# KiCad board USB Cable Tester.kicad_pcb (continued)
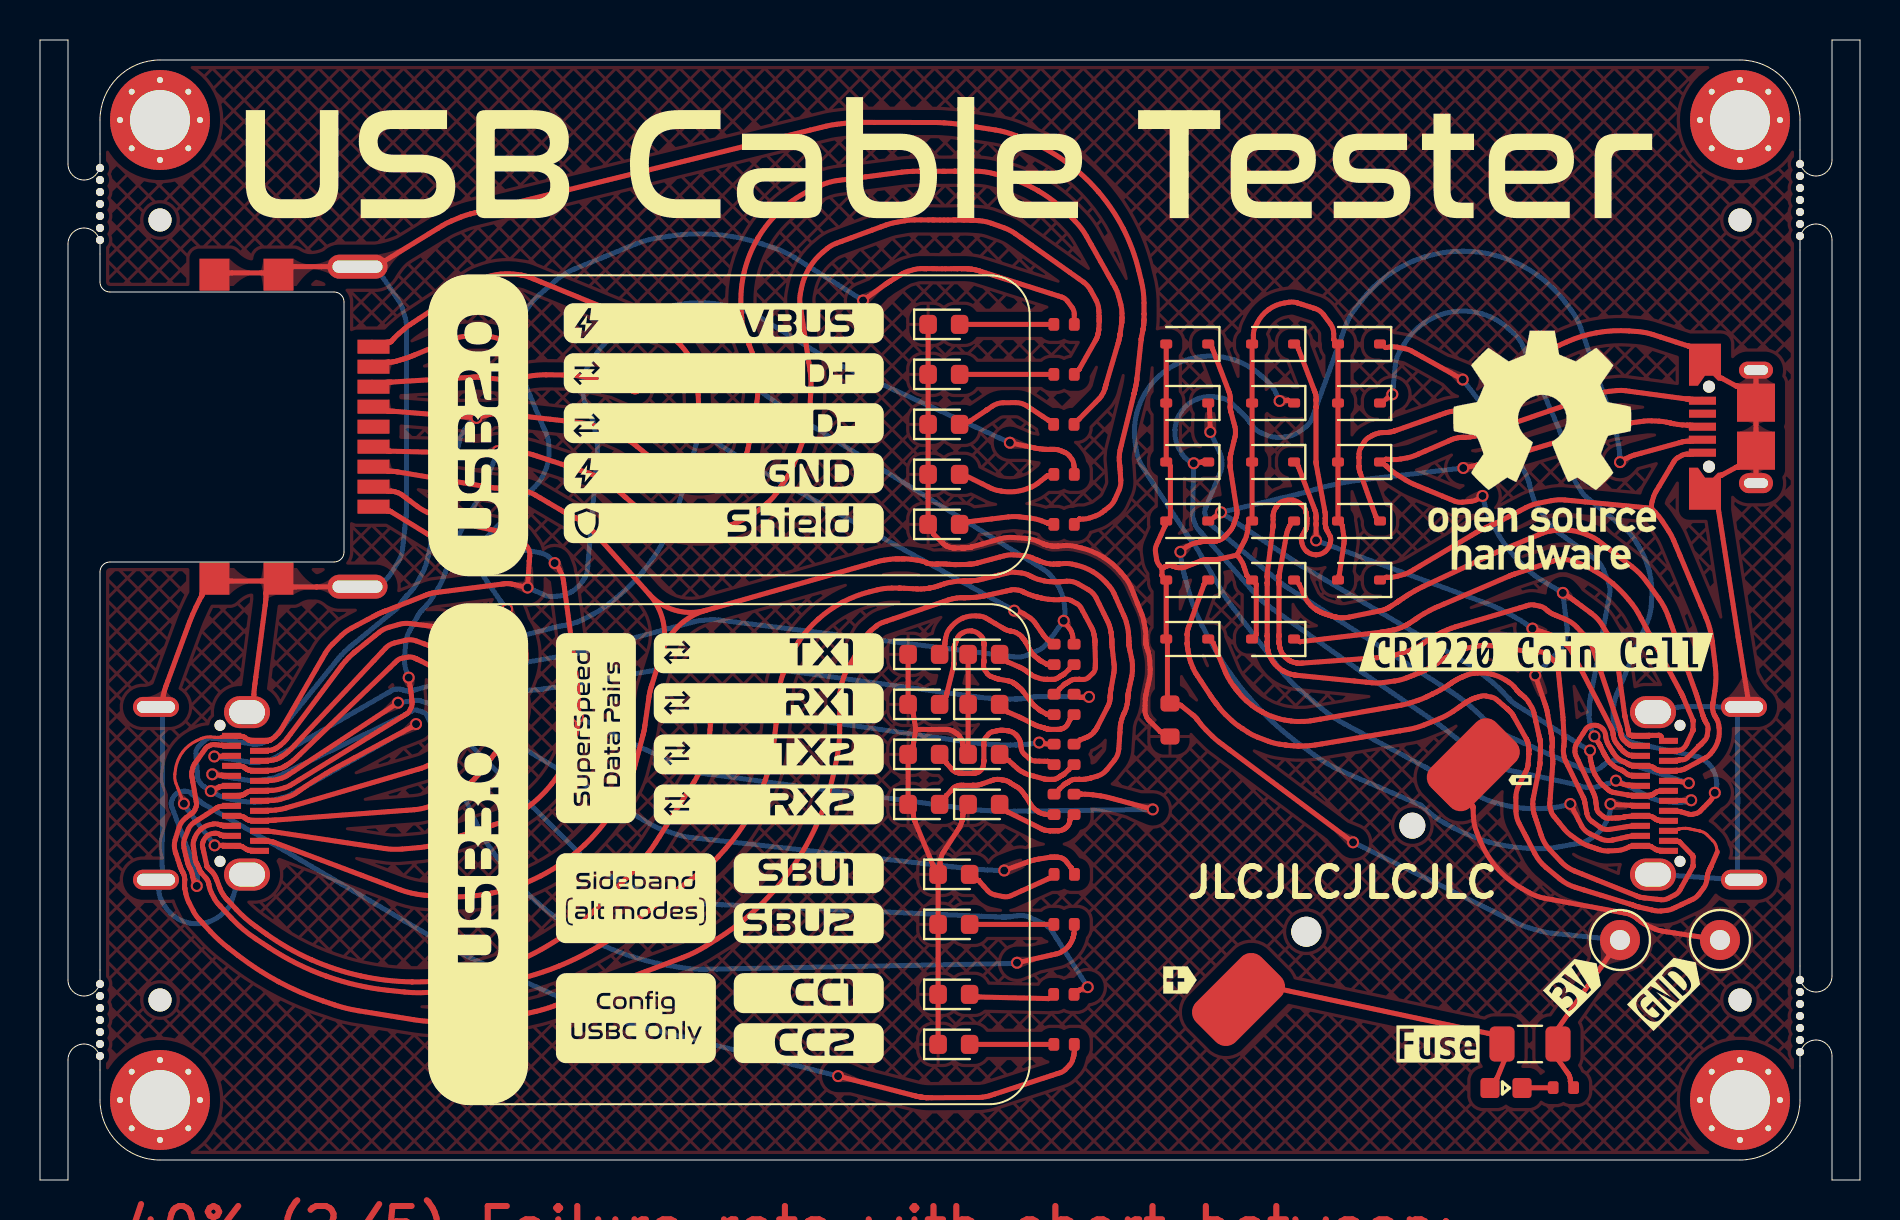
[diagram p0: board, top side]
## Routing (per net, layer and track width the routed paths; a pad name or vN(x,y) marks a point on that pad's centre or on a via; arc(x,y) is an arc through that point) (continued)
Net-(D7-K): length 41.2
  Top w0.25: v1(83.74,19.36) 83.74,19.36 arc(83.74,19.35) 83.73,19.34 83.71,19.28 arc(83.68,19.22) 83.65,19.15 83.57,19.03 arc(83.53,18.97) 83.48,18.92 82.99,18.43 arc(82.91,18.37) 82.83,18.33 82.64,18.29 arc(82.55,18.27) 82.45,18.29 82.01,18.42 arc(81.99,18.42) 81.98,18.43 81.95,18.43 arc(81.93,18.43) 81.91,18.43 81.84,18.43 arc(81.77,18.43) 81.71,18.44 J4.B8 ; v1(67.62,39.29) 67.28,39.02
  Bottom w0.25: v1(83.74,19.36) 83.8,19.52 arc(83.83,19.66) 83.83,19.81 83.82,19.96 arc(83.77,20.24) 83.65,20.52 arc(83.48,20.76) 83.27,20.95 83.15,21.04 arc(83.02,21.12) 82.88,21.16 80.52,21.67 79.67,21.85 arc(79.42,21.96) 79.21,22.14 78.84,22.59 arc(78.71,22.83) 78.66,23.1 78.66,23.51 arc(78.67,23.63) 78.68,23.74 78.73,23.97 arc(78.76,24.08) 78.8,24.19 78.94,24.52 79.97,26.96 80.39,27.96 arc(80.5,28.3) 80.55,28.65 80.58,29.01 arc(80.58,29.72) 80.47,30.43 arc(80.24,31.11) 79.91,31.74 79.71,32.04 arc(79.5,32.33) 79.24,32.58 78.4,33.26 77.77,33.78 77.32,34.15 arc(77.18,34.28) 77.06,34.43 76.85,34.76 arc(76.76,34.93) 76.7,35.12 76.65,35.32 arc(76.65,35.34) 76.64,35.35 76.61,35.46 arc(76.58,35.58) 76.54,35.7 76.15,36.98 76.08,37.19 arc(76.06,37.26) 76.04,37.33 75.98,37.47 arc(75.96,37.54) 75.93,37.6 75.84,37.8 74.12,41.74 arc(73.94,42.07) 73.68,42.34 73.4,42.59 arc(72.79,43.02) 72.09,43.31 arc(71.36,43.44) 70.61,43.41 arc(69.89,43.21) 69.23,42.86 arc(68.65,42.38) 68.2,41.79 68,41.46 arc(67.85,41.12) 67.77,40.75 v1(67.62,39.29)
Net-(D8-A): length 7.7
  Top w0.25: 50.39,20.93 50.38,20.93 arc(50.38,20.93) 50.38,20.93 49.76,20.95 arc(49.61,20.98) 49.47,21.07 49.21,21.29 arc(49.11,21.42) 49.06,21.57 49.02,21.87 arc(49.01,21.93) 48.99,21.98 48.94,22.08 arc(48.91,22.13) 48.88,22.17 48.77,22.28 arc(48.73,22.32) 48.67,22.36 48.57,22.41 arc(48.51,22.44) 48.45,22.45 48.33,22.47 arc(48.3,22.47) 48.28,22.48 arc(48.26,22.48) 48.23,22.48 48.11,22.49 arc(48.08,22.49) 48.05,22.49 48,22.49 arc(47.98,22.48) 47.95,22.48 47.62,22.41 arc(47.51,22.37) 47.43,22.29 47.27,22.1 arc(47.21,22) 47.19,21.88 47.19,21.77 arc(47.19,21.76) 47.19,21.75 47.19,21.74 arc(47.19,21.74) 47.19,21.73 arc(47.19,21.73) 47.19,21.73 47.19,21.72 arc(47.19,21.72) 47.19,21.71 47.19,20.98 arc(47.19,20.98) 47.19,20.97 47.19,20.96 arc(47.19,20.96) 47.19,20.96 arc(47.19,20.95) 47.19,20.95 47.19,20.91 arc(47.19,20.91) 47.19,20.91 arc(47.19,20.9) 47.19,20.9 47.18,20.83 arc(47.18,20.83) 47.18,20.82 47.17,20.71 arc(47.15,20.66) 47.13,20.61 47.06,20.51 arc(47.03,20.47) 46.98,20.44 46.87,20.38 arc(46.85,20.37) 46.83,20.36 46.78,20.35 arc(46.75,20.34) 46.73,20.34 46.67,20.33 arc(46.66,20.33) 46.64,20.33 arc(46.62,20.33) 46.61,20.33 46.2,20.33 arc(46.19,20.33) 46.17,20.33 arc(46.15,20.33) 46.14,20.33 46.12,20.33 arc(46.11,20.34) 46.11,20.34 arc(46.1,20.34) 46.1,20.34 46,20.34 arc(45.98,20.35) 45.97,20.35 arc(45.95,20.35) 45.94,20.35 45.9,20.36 arc(45.89,20.36) 45.87,20.37 45.79,20.4 arc(45.76,20.41) 45.73,20.43 45.67,20.47 arc(45.65,20.49) 45.62,20.51 45.32,20.84 arc(45.32,20.84) 45.32,20.84 45.32,20.84 arc(45.32,20.85) 45.32,20.85
Net-(D9-K): length 57.1
  Top w0.25: J4.B12 81.14,16.48 arc(81.07,16.48) 81.01,16.48 80.93,16.48 arc(80.9,16.48) 80.88,16.49 80.84,16.5 arc(80.82,16.51) 80.8,16.52 80.56,16.67 arc(80.55,16.67) 80.54,16.68 80.53,16.68 arc(80.52,16.68) 80.51,16.68 arc(80.5,16.68) 80.49,16.68 80.44,16.68 arc(80.37,16.68) 80.31,16.69 80.2,16.7 arc(80.02,16.7) 79.85,16.7 79.74,16.69 arc(79.67,16.68) 79.61,16.68 79.54,16.68 arc(79.54,16.68) 79.53,16.68 79.52,16.68 arc(79.51,16.68) 79.5,16.68 arc(79.5,16.67) 79.49,16.67 79.49,16.67 arc(79.48,16.66) 79.47,16.66 79.28,16.57 arc(79.07,16.5) 78.85,16.47 78.41,16.45 arc(78.19,16.46) 77.97,16.52 77.42,16.71 arc(77.19,16.8) 76.98,16.93 76.57,17.21 arc(76.38,17.37) 76.21,17.55 75.66,18.23 arc(75.61,18.31) 75.57,18.4 75.51,18.59 arc(75.49,18.68) 75.49,18.78 75.63,20.66 75.64,20.82 arc(75.64,20.87) 75.64,20.92 75.64,21.03 arc(75.63,21.08) 75.63,21.13 75.62,21.18 arc(75.62,21.18) 75.62,21.19 arc(75.62,21.19) 75.62,21.2 75.61,21.25 arc(75.6,21.31) 75.6,21.37 75.59,21.48 arc(75.6,21.54) 75.6,21.6 75.61,21.72 arc(75.61,21.76) 75.61,21.8 75.61,21.88 arc(75.61,21.92) 75.61,21.96 75.6,22.09 arc(75.6,22.12) 75.59,22.15 75.58,22.21 arc(75.58,22.24) 75.57,22.27 75.56,22.31 arc(75.56,22.33) 75.56,22.34 75.54,22.43 arc(75.52,22.54) 75.5,22.65 75.36,23.4 arc(75.35,23.45) 75.34,23.49 75.32,23.59 arc(75.3,23.64) 75.29,23.69 75.24,23.83 v1(74.76,25.23) ; J3.5 82.64,39.03 arc(82.57,39.04) 82.51,39.04 82.44,39.04 arc(82.42,39.04) 82.41,39.04 82.38,39.04 arc(82.37,39.05) 82.36,39.05 82.32,39.05 79.89,39.38 79.27,39.46 arc(79.06,39.48) 78.86,39.47 78.44,39.43 arc(78.23,39.4) 78.03,39.34 77.44,39.14 72.3,37.37 71.97,37.25 arc(71.86,37.22) 71.74,37.19 71.52,37.16 arc(71.4,37.14) 71.29,37.13 71.07,37.13 arc(70.99,37.13) 70.92,37.11 70.77,37.08 arc(70.69,37.06) 70.62,37.04 70.41,36.95 68.74,36.22 arc(68.57,36.16) 68.39,36.11 68.02,36.05 arc(67.84,36.02) 67.65,36.02 67.45,36.03 arc(67.43,36.03) 67.41,36.03 67.37,36.03 arc(67.35,36.03) 67.33,36.03 67.3,36.03 arc(67.3,36.03) 67.3,36.03 arc(67.3,36.03) 67.3,36.03 ; J4.B1 81.14,21.98 arc(81.09,22) 81.07,22.05 81.07,22.14 arc(81.07,22.16) 81.05,22.18 81.02,22.22 arc(80.99,22.23) 80.97,22.23 80.95,22.23 arc(80.94,22.23) 80.94,22.23 arc(80.94,22.23) 80.93,22.23 80.91,22.23 arc(80.88,22.23) 80.86,22.23 80.44,22.23 arc(80.37,22.23) 80.31,22.23 80.2,22.22 arc(80.02,22.21) 79.85,22.22 79.74,22.23 arc(79.67,22.23) 79.61,22.23 79.53,22.23 arc(79.5,22.24) 79.48,22.25 79.45,22.28 arc(79.43,22.3) 79.43,22.32 79.43,22.34 arc(79.42,22.35) 79.42,22.35 arc(79.42,22.36) 79.42,22.37 79.42,22.39 arc(79.42,22.41) 79.41,22.44 79.4,22.49 arc(79.4,22.52) 79.39,22.54 79.38,22.62 79.26,23.14 arc(79.25,23.15) 79.25,23.16 arc(79.25,23.17) 79.25,23.19 79.24,23.21 arc(79.24,23.22) 79.24,23.24 79.23,23.27 78.89,25.8 78.83,26.21 arc(78.73,26.61) 78.56,26.99 78.13,27.71 arc(77.89,28.04) 77.58,28.32 76.62,29.04 arc(76.56,29.08) 76.49,29.13 76.37,29.21 arc(76.3,29.26) 76.23,29.3 v1(76.14,29.36) ; 67.28,35.73 67.5,35.54 arc(67.68,35.38) 67.88,35.25 68.29,35 arc(68.49,34.88) 68.71,34.78 70.51,34.03 70.71,33.95 arc(70.91,33.9) 71.12,33.89 71.55,33.93 arc(71.75,33.98) 71.93,34.07 v1(72.13,34.2)
  Bottom w0.25: v1(72.13,34.2) 72.22,33.84 arc(72.32,33.5) 72.45,33.18 72.6,32.87 arc(72.93,32.25) 73.32,31.68 arc(73.76,31.14) 74.25,30.65 74.51,30.41 arc(74.78,30.19) 75.07,30 v1(76.14,29.36) 76.29,28.17 76.36,27.59 arc(76.36,27.4) 76.32,27.21 76.19,26.84 arc(76.11,26.67) 76,26.52 75.59,26.1 v1(74.76,25.23)
Net-(D10-A): length 3.5
  Top w0.25: 51.49,23.01 51.49,23.01 arc(51.49,23) 51.49,23 51.49,23 arc(51.49,23) 51.49,23 51.36,22.76 arc(51.34,22.72) 51.31,22.69 51.23,22.63 arc(51.19,22.6) 51.15,22.58 51.07,22.56 arc(51.05,22.55) 51.04,22.55 arc(51.02,22.54) 51,22.54 50.97,22.53 arc(50.95,22.53) 50.93,22.53 50.48,22.53 arc(50.46,22.53) 50.45,22.53 50.42,22.54 arc(50.4,22.54) 50.39,22.54 50.36,22.55 arc(50.35,22.55) 50.34,22.55 arc(50.33,22.56) 50.32,22.56 50.3,22.57 arc(50.29,22.57) 50.29,22.57 50.27,22.58 arc(50.27,22.58) 50.26,22.58 50.25,22.59 arc(50.24,22.59) 50.23,22.6 50.2,22.61 arc(50.19,22.61) 50.17,22.62 49.97,22.67 arc(49.93,22.68) 49.9,22.69 49.82,22.72 arc(49.78,22.74) 49.75,22.75 49.64,22.81 49.11,23.08 arc(49.07,23.1) 49.03,23.12 arc(48.99,23.14) 48.94,23.16 48.39,23.4 arc(48.39,23.4) 48.38,23.4 48.38,23.4 arc(48.38,23.4) 48.38,23.41 48.38,23.41
Net-(D11-A): length 10.1
  Top w0.25: 45.32,24.22 45.32,24.22 arc(45.32,24.22) 45.32,24.22 45.32,24.23 arc(45.32,24.23) 45.33,24.23 arc(45.33,24.23) 45.33,24.23 45.34,24.3 arc(45.34,24.32) 45.35,24.34 arc(45.35,24.36) 45.36,24.38 45.68,25.7 arc(45.69,25.72) 45.69,25.73 45.69,25.76 arc(45.69,25.78) 45.69,25.79 45.69,25.8 arc(45.69,25.81) 45.69,25.81 45.69,25.82 arc(45.69,25.82) 45.69,25.82 45.69,26.54 arc(45.69,26.54) 45.69,26.55 45.69,26.55 arc(45.69,26.55) 45.69,26.56 arc(45.69,26.56) 45.69,26.56 45.7,26.59 arc(45.7,26.6) 45.7,26.61 arc(45.7,26.62) 45.7,26.63 45.7,26.65 arc(45.71,26.66) 45.71,26.66 arc(45.71,26.67) 45.72,26.68 45.73,26.71 arc(45.73,26.71) 45.73,26.72 arc(45.73,26.72) 45.73,26.72 45.76,26.79 arc(45.76,26.8) 45.76,26.8 arc(45.76,26.8) 45.76,26.8 45.89,27.13 arc(45.95,27.23) 46.04,27.3 46.14,27.36 arc(46.36,27.44) 46.59,27.45 arc(46.81,27.39) 46.99,27.26 47.08,27.17 arc(47.15,27.08) 47.18,26.97 47.2,26.82 arc(47.2,26.81) 47.2,26.8 47.2,26.78 arc(47.2,26.77) 47.2,26.76 47.2,26.73 47.19,25.98 arc(47.19,25.98) 47.19,25.98 arc(47.19,25.97) 47.19,25.97 47.19,25.96 arc(47.19,25.96) 47.19,25.96 arc(47.19,25.95) 47.19,25.95 47.19,25.92 arc(47.19,25.91) 47.19,25.9 47.19,25.89 arc(47.19,25.89) 47.19,25.89 arc(47.19,25.89) 47.19,25.89 47.18,25.88 arc(47.18,25.88) 47.18,25.88 47.18,25.87 arc(47.18,25.86) 47.18,25.85 47.18,25.83 arc(47.18,25.82) 47.18,25.81 47.18,25.7 arc(47.2,25.59) 47.24,25.5 47.37,25.31 arc(47.44,25.24) 47.53,25.18 47.81,25.08 arc(47.83,25.07) 47.85,25.07 47.88,25.06 arc(47.9,25.05) 47.92,25.05 48.45,24.95 arc(48.49,24.94) 48.53,24.93 48.6,24.9 arc(48.63,24.88) 48.67,24.86 48.73,24.82 arc(48.73,24.81) 48.74,24.81 arc(48.74,24.81) 48.75,24.8 48.76,24.79 arc(48.78,24.78) 48.79,24.77 arc(48.8,24.76) 48.82,24.75 48.87,24.71 arc(48.87,24.71) 48.87,24.71 48.88,24.7 arc(48.9,24.69) 48.91,24.68 48.91,24.68 arc(48.92,24.67) 48.93,24.66 48.99,24.61 arc(49.01,24.59) 49.03,24.58 arc(49.04,24.56) 49.06,24.54 49.09,24.51 arc(49.11,24.49) 49.12,24.47 49.61,23.83 arc(49.63,23.81) 49.65,23.79 49.69,23.74 arc(49.71,23.72) 49.73,23.7 49.96,23.51 arc(49.97,23.5) 49.98,23.5 50.01,23.48 arc(50.02,23.47) 50.03,23.46 50.32,23.3 arc(50.32,23.3) 50.32,23.3 arc(50.32,23.3) 50.33,23.29 50.33,23.29 arc(50.33,23.29) 50.33,23.29 arc(50.34,23.29) 50.34,23.29 50.38,23.27
Net-(D12-K): length 29.3
  Top w0.25: 62.5,32.73 62.46,32.66 arc(62.43,32.6) 62.4,32.54 62.36,32.41 arc(62.34,32.34) 62.32,32.28 62.31,32.2 arc(62.31,32.19) 62.31,32.18 62.3,32.14 arc(62.3,32.1) 62.29,32.06 61.98,30.35 arc(61.98,30.35) 61.98,30.34 arc(61.98,30.34) 61.98,30.34 61.96,30.24 arc(61.96,30.23) 61.96,30.23 arc(61.96,30.23) 61.96,30.22 61.95,30.21 arc(61.95,30.21) 61.95,30.21 arc(61.95,30.2) 61.95,30.2 61.95,30.16 arc(61.95,30.16) 61.95,30.15 arc(61.95,30.15) 61.95,30.14 61.95,30.13 arc(61.95,30.12) 61.95,30.12 61.95,29.9 arc(61.95,29.89) 61.95,29.87 61.95,29.87 arc(61.95,29.86) 61.95,29.85 arc(61.95,29.85) 61.95,29.84 61.95,29.82 arc(61.95,29.78) 61.95,29.75 61.95,27.3 arc(61.95,27.27) 61.95,27.23 61.95,27.21 arc(61.95,27.2) 61.95,27.2 arc(61.95,27.19) 61.95,27.18 61.95,27.18 arc(61.95,27.16) 61.95,27.15 61.95,26.95 arc(61.95,26.94) 61.95,26.92 arc(61.95,26.91) 61.95,26.89 61.95,26.86 arc(61.95,26.85) 61.95,26.84 61.95,26.83 arc(61.95,26.82) 61.96,26.82 61.98,26.69 arc(61.99,26.66) 61.99,26.63 62,26.6 arc(62,26.6) 62,26.6 arc(62,26.6) 62,26.6 62.01,26.55 arc(62.03,26.5) 62.05,26.45 62.09,26.36 arc(62.12,26.31) 62.15,26.27 62.21,26.19 arc(62.25,26.15) 62.28,26.12 62.36,26.05 arc(62.4,26.02) 62.44,26 62.49,25.97 arc(62.49,25.97) 62.49,25.97 arc(62.49,25.97) 62.49,25.97 62.49,25.97 arc(62.49,25.97) 62.49,25.97 arc(62.5,25.97) 62.5,25.97 62.54,25.94 arc(62.58,25.93) 62.62,25.91 62.71,25.88 arc(62.75,25.87) 62.79,25.86 62.87,25.85 arc(62.9,25.84) 62.93,25.84 62.99,25.84 arc(63.02,25.84) 63.05,25.84 63.15,25.85 66.86,26.12 67.16,26.14 arc(67.25,26.15) 67.35,26.16 67.55,26.2 arc(67.65,26.22) 67.74,26.25 68.14,26.36 68.33,26.42 arc(68.46,26.47) 68.59,26.52 68.84,26.64 arc(68.96,26.7) 69.08,26.78 69.21,26.87 arc(69.22,26.88) 69.24,26.89 69.34,26.96 arc(69.41,27) 69.49,27.05 arc(69.56,27.09) 69.63,27.13 69.7,27.17 arc(69.74,27.2) 69.77,27.22 arc(69.81,27.24) 69.84,27.25 69.99,27.33 arc(70.02,27.35) 70.06,27.37 70.19,27.43 arc(70.28,27.47) 70.38,27.51 70.57,27.59 arc(70.66,27.62) 70.76,27.65 71.06,27.74 74.01,28.61 74.43,28.74 arc(74.57,28.76) 74.72,28.75 75,28.69 arc(75.14,28.64) 75.26,28.57 75.42,28.43 arc(75.46,28.4) 75.5,28.38 75.57,28.33 arc(75.61,28.31) 75.65,28.29 76.29,28.02 arc(76.59,27.86) 76.84,27.64 77.31,27.14 arc(77.51,26.87) 77.65,26.56 77.98,25.59 78.96,22.67 78.99,22.57 arc(79,22.53) 79.01,22.5 79.03,22.43 arc(79.03,22.39) 79.04,22.36 79.04,22.33 arc(79.04,22.32) 79.04,22.31 arc(79.04,22.3) 79.04,22.3 79.05,22.26 arc(79.06,22.22) 79.07,22.17 79.11,22.09 arc(79.14,22.05) 79.17,22.02 79.35,21.84 arc(79.36,21.84) 79.36,21.84 79.37,21.83 arc(79.38,21.82) 79.38,21.82 arc(79.39,21.82) 79.39,21.82 79.49,21.75 arc(79.49,21.74) 79.5,21.74 79.52,21.74 arc(79.53,21.73) 79.54,21.73 79.61,21.73 arc(79.67,21.73) 79.74,21.73 J4.A11
Net-(D13-A): length 3.5
  Top w0.25: 48.41,20.98 48.41,20.98 arc(48.41,20.98) 48.41,20.98 48.41,20.98 arc(48.42,20.98) 48.42,20.98 48.42,20.98 arc(48.43,20.98) 48.43,20.97 arc(48.43,20.97) 48.43,20.97 48.91,20.55 arc(48.98,20.49) 49.06,20.44 49.24,20.34 arc(49.32,20.3) 49.42,20.27 49.7,20.19 50.21,20.05 arc(50.23,20.05) 50.26,20.04 50.31,20.03 arc(50.33,20.03) 50.36,20.03 50.68,20.03 arc(50.71,20.03) 50.75,20.04 50.81,20.06 arc(50.85,20.07) 50.88,20.09 51,20.18 arc(51.01,20.18) 51.02,20.19 51.04,20.2 arc(51.05,20.21) 51.07,20.21 51.07,20.22 arc(51.08,20.22) 51.08,20.22 arc(51.08,20.22) 51.09,20.22 arc(51.09,20.23) 51.09,20.23 51.1,20.23 arc(51.1,20.23) 51.11,20.23 arc(51.11,20.24) 51.11,20.24 51.15,20.26 arc(51.15,20.26) 51.16,20.27 arc(51.16,20.27) 51.17,20.27 51.18,20.28 arc(51.18,20.28) 51.19,20.29 51.2,20.3 arc(51.21,20.31) 51.22,20.31 arc(51.23,20.32) 51.24,20.33 51.44,20.52 arc(51.44,20.52) 51.44,20.52 51.44,20.52 arc(51.44,20.52) 51.44,20.53
Net-(D14-A): length 4.4
  Top w0.25: 46.42,35.15 47.56,34.58 arc(47.72,34.52) 47.89,34.48 48.06,34.45 arc(48.4,34.41) 48.75,34.42 48.75,34.42 arc(49.09,34.48) 49.42,34.59 49.58,34.65 arc(49.74,34.73) 49.88,34.83 50.34,35.19 arc(50.35,35.19) 50.35,35.2 arc(50.36,35.21) 50.37,35.21 50.39,35.22 arc(50.4,35.22) 50.41,35.22 50.42,35.22
Net-(D15-K): length 52.5
  Top w0.25: J3.3 82.64,37.73 arc(82.57,37.74) 82.51,37.74 82.34,37.74 arc(82.22,37.74) 82.11,37.75 81.89,37.78 arc(81.78,37.79) 81.67,37.82 81.57,37.84 arc(81.56,37.84) 81.54,37.84 arc(81.53,37.85) 81.51,37.85 81.34,37.89 arc(81.15,37.92) 80.96,37.94 80.57,37.96 arc(80.38,37.96) 80.19,37.94 79.62,37.87 78.72,37.75 arc(78.68,37.74) 78.64,37.74 78.57,37.72 arc(78.53,37.71) 78.5,37.7 78.39,37.67 72.51,35.9 72.32,35.85 arc(72.26,35.83) 72.19,35.81 72.07,35.78 arc(72,35.77) 71.94,35.76 71.88,35.75 arc(71.87,35.75) 71.87,35.74 arc(71.86,35.74) 71.86,35.74 71.84,35.74 arc(71.81,35.73) 71.78,35.73 v1(71.16,35.6) ; J4.B6 81.14,19.44 arc(81.07,19.43) 81.01,19.43 80.94,19.43 arc(80.94,19.43) 80.94,19.43 80.93,19.43 arc(80.92,19.43) 80.92,19.43 arc(80.92,19.43) 80.91,19.43 80.85,19.41 arc(80.83,19.4) 80.81,19.39 80.77,19.37 arc(80.76,19.36) 80.74,19.35 80.73,19.34 arc(80.73,19.34) 80.72,19.33 arc(80.72,19.33) 80.72,19.33 80.71,19.32 arc(80.69,19.3) 80.67,19.29 80.64,19.27 arc(80.62,19.26) 80.6,19.26 80.53,19.24 arc(80.52,19.24) 80.52,19.23 80.51,19.23 arc(80.51,19.23) 80.5,19.23 80.44,19.23 arc(80.37,19.23) 80.31,19.23 80.2,19.22 arc(80.02,19.21) 79.85,19.22 79.74,19.23 arc(79.67,19.23) 79.61,19.23 79.53,19.23 arc(79.51,19.23) 79.49,19.23 79.45,19.24 arc(79.44,19.24) 79.42,19.24 79.36,19.25 78.65,19.39 arc(78.61,19.4) 78.58,19.41 78.5,19.44 arc(78.47,19.46) 78.44,19.49 78.11,19.77 arc(78,19.88) 77.91,20.01 77.75,20.28 arc(77.68,20.42) 77.63,20.57 77.54,20.96 arc(77.52,21.03) 77.51,21.1 77.5,21.25 arc(77.5,21.32) 77.5,21.39 v1(77.5,21.48) ; v1(59.05,33.38) 58.69,33.12
  Bottom w0.25: v1(71.16,35.6) 67.08,35.12 65.96,34.99 arc(65.59,34.94) 65.22,34.87 64.48,34.72 arc(64.12,34.63) 63.76,34.53 63.38,34.42 arc(63.37,34.41) 63.35,34.41 63.22,34.37 arc(63.07,34.33) 62.92,34.3 v1(59.05,33.38) 62.96,30.78 arc(62.99,30.76) 63.02,30.74 arc(63.06,30.72) 63.09,30.69 70.36,26.41 71.37,25.82 arc(71.69,25.61) 72.01,25.38 72.61,24.89 arc(72.91,24.63) 73.18,24.36 73.44,24.07 73.51,24 arc(73.55,23.96) 73.6,23.92 73.69,23.84 arc(73.73,23.81) 73.78,23.78 73.93,23.68 77.29,21.58 77.35,21.54 arc(77.37,21.53) 77.39,21.52 77.43,21.5 arc(77.45,21.49) 77.47,21.49 77.49,21.48 arc(77.49,21.48) 77.5,21.48 v1(77.5,21.48)
Net-(D16-A): length 4.5
  Top w0.25: 46.42,37.91 46.43,37.91 arc(46.44,37.91) 46.45,37.92 46.46,37.92 arc(46.47,37.92) 46.48,37.93 46.5,37.94 47.31,38.48 arc(47.32,38.49) 47.33,38.5 47.34,38.5 arc(47.34,38.5) 47.35,38.51 47.61,38.69 arc(47.88,38.82) 48.17,38.86 48.78,38.87 arc(49.08,38.83) 49.35,38.7 50.4,38 arc(50.41,38) 50.41,37.99 50.42,37.99 arc(50.42,37.99) 50.42,37.99
Net-(D17-K): length 30.8
  Top w0.25: J4.B3 81.65,20.97 arc(81.71,20.98) 81.77,20.98 81.8,20.98 arc(81.84,20.98) 81.87,20.98 81.9,20.98 arc(81.91,20.98) 81.92,20.98 arc(81.93,20.99) 81.94,20.99 arc(81.95,20.99) 81.95,21 arc(81.96,21) 81.97,21.01 arc(81.98,21.01) 81.99,21.01 82.12,21.01 arc(82.25,21.04) 82.37,21.11 82.91,21.65 arc(82.91,21.66) 82.91,21.67 arc(82.92,21.68) 82.92,21.68 82.93,21.69 arc(82.95,21.7) 82.96,21.71 arc(82.98,21.73) 83,21.74 arc(83.01,21.75) 83.03,21.77 arc(83.04,21.78) 83.06,21.8 83.24,21.99 arc(83.32,22.11) 83.36,22.24 83.4,22.53 arc(83.39,22.67) 83.35,22.8 83.26,22.95 arc(83.25,22.96) 83.24,22.98 83.24,23 arc(83.22,23.04) 83.2,23.07 arc(83.19,23.11) 83.17,23.15 arc(83.16,23.18) 83.15,23.22 83.12,23.3 82.89,24.06 arc(82.87,24.12) 82.85,24.18 arc(82.83,24.24) 82.81,24.3 arc(82.79,24.36) 82.77,24.41 81.94,26.71 81.41,28.18 arc(81.21,28.65) 80.93,29.09 80.32,29.93 arc(79.99,30.32) 79.6,30.67 79.05,31.09 77.9,31.98 arc(77.73,32.09) 77.54,32.18 77.35,32.26 arc(76.96,32.4) 76.55,32.48 arc(76.14,32.5) 75.73,32.48 75.53,32.45 arc(75.32,32.41) 75.13,32.34 74.55,32.1 73.3,31.59 arc(73.26,31.57) 73.23,31.55 73.2,31.54 arc(73.19,31.54) 73.18,31.53 arc(73.16,31.53) 73.15,31.52 73.15,31.52 arc(73.13,31.52) 73.12,31.51 73.09,31.5 arc(73.08,31.5) 73.07,31.49 73.05,31.48 arc(73.01,31.47) 72.98,31.45 arc(72.94,31.44) 72.91,31.42 arc(72.87,31.41) 72.84,31.39 72.77,31.36 69.46,29.81 69.09,29.64 arc(68.97,29.58) 68.85,29.52 68.73,29.45 arc(68.62,29.39) 68.5,29.32 68.41,29.26 arc(68.39,29.25) 68.36,29.23 68.27,29.17 arc(68.21,29.13) 68.15,29.09 68.14,29.08 arc(68.09,29.05) 68.03,29.01 68,28.99 arc(67.98,28.97) 67.96,28.96 67.95,28.96 arc(67.95,28.95) 67.94,28.95 67.93,28.94 arc(67.93,28.94) 67.92,28.93 arc(67.92,28.93) 67.91,28.93 67.9,28.92 arc(67.9,28.92) 67.89,28.91 arc(67.88,28.91) 67.87,28.9 arc(67.87,28.9) 67.86,28.89 67.85,28.88 arc(67.84,28.88) 67.84,28.88 arc(67.83,28.87) 67.83,28.87 67.6,28.72 arc(67.56,28.69) 67.52,28.67 67.49,28.65 arc(67.48,28.64) 67.46,28.63 67.45,28.63 arc(67.45,28.62) 67.44,28.62 arc(67.43,28.62) 67.42,28.61 67.4,28.6 arc(67.38,28.59) 67.36,28.58 67.33,28.56 arc(67.29,28.54) 67.24,28.52 67.24,28.52 arc(67.19,28.51) 67.14,28.49 arc(67.09,28.48) 67.04,28.47 65.39,28.13 arc(65.31,28.12) 65.23,28.11 65.07,28.11 arc(64.99,28.11) 64.91,28.13 64.77,28.15 arc(64.77,28.15) 64.76,28.15 64.74,28.16 arc(64.72,28.16) 64.69,28.17 arc(64.67,28.17) 64.64,28.18 arc(64.62,28.19) 64.6,28.19 64.48,28.23 arc(64.48,28.23) 64.48,28.23 64.4,28.26 arc(64.38,28.26) 64.37,28.27 arc(64.35,28.27) 64.33,28.28 arc(64.32,28.28) 64.3,28.29 64.22,28.31 arc(64.19,28.32) 64.16,28.34 arc(64.13,28.35) 64.11,28.36 arc(64.08,28.37) 64.05,28.38 64.02,28.4 arc(64.02,28.4) 64.02,28.4 63.95,28.43 arc(63.94,28.44) 63.92,28.45 arc(63.9,28.46) 63.89,28.47 arc(63.87,28.48) 63.85,28.49 63.85,28.5 arc(63.84,28.5) 63.83,28.51 63.8,28.52 arc(63.8,28.53) 63.8,28.53 63.8,28.53 arc(63.8,28.53) 63.8,28.53 63.8,28.53 arc(63.79,28.53) 63.79,28.53 arc(63.79,28.53) 63.79,28.54 63.7,28.59 arc(63.62,28.66) 63.54,28.73 63.41,28.89 arc(63.34,28.98) 63.29,29.07 62.96,29.79 arc(62.96,29.79) 62.95,29.79 62.95,29.8
Net-(D18-A): length 4.1
  Top w0.25: 46.42,32.91 46.42,32.91 arc(46.42,32.91) 46.42,32.91 46.43,32.91 arc(46.43,32.91) 46.43,32.91 arc(46.43,32.91) 46.44,32.91 47.59,33.05 48.42,33.16 arc(48.7,33.17) 48.98,33.16 49.54,33.09 arc(49.81,33.04) 50.08,32.96 50.37,32.85 arc(50.38,32.85) 50.38,32.85 arc(50.39,32.85) 50.39,32.84 50.41,32.84 arc(50.41,32.84) 50.42,32.84 50.42,32.84
Net-(D19-K): length 47.5
  Top w0.25: J4.B9 81.14,17.98 arc(81.07,17.98) 81.01,17.98 80.94,17.98 arc(80.94,17.98) 80.94,17.98 80.93,17.98 arc(80.92,17.99) 80.92,17.99 arc(80.92,17.99) 80.91,17.99 80.85,18.01 arc(80.83,18.01) 80.81,18.02 80.77,18.04 arc(80.76,18.05) 80.74,18.07 80.73,18.08 arc(80.73,18.08) 80.72,18.08 arc(80.72,18.08) 80.72,18.09 80.71,18.1 arc(80.69,18.11) 80.67,18.12 80.64,18.15 arc(80.62,18.15) 80.6,18.16 80.53,18.18 arc(80.52,18.18) 80.52,18.18 80.51,18.18 arc(80.51,18.18) 80.5,18.18 80.44,18.18 arc(80.37,18.18) 80.31,18.19 80.2,18.2 arc(80.02,18.2) 79.85,18.2 79.74,18.19 arc(79.67,18.18) 79.61,18.18 79.51,18.18 arc(79.46,18.18) 79.42,18.18 79.33,18.17 arc(79.29,18.16) 79.25,18.16 79.15,18.14 arc(79.11,18.13) 79.08,18.12 79,18.11 arc(78.96,18.11) 78.92,18.11 78.42,18.08 arc(78.29,18.1) 78.17,18.17 77.96,18.35 arc(77.88,18.45) 77.84,18.57 77.78,19.01 arc(77.77,19.06) 77.76,19.11 77.73,19.21 arc(77.71,19.25) 77.7,19.3 77.63,19.44 76.78,21.24 arc(76.75,21.33) 76.75,21.43 76.76,21.62 arc(76.78,21.71) 76.82,21.8 77.3,22.56 arc(77.35,22.62) 77.43,22.67 77.51,22.7 arc(77.68,22.74) 77.85,22.73 arc(78.01,22.66) 78.14,22.55 78.15,22.55 arc(78.23,22.41) 78.28,22.25 arc(78.28,22.24) 78.28,22.23 78.29,22.15 arc(78.3,22.09) 78.32,22.02 78.36,21.88 arc(78.39,21.82) 78.42,21.76 78.58,21.5 arc(78.59,21.48) 78.6,21.46 arc(78.62,21.43) 78.63,21.41 78.75,21.23 arc(78.8,21.17) 78.85,21.12 78.97,21.03 arc(79.03,20.98) 79.1,20.95 79.17,20.92 arc(79.17,20.92) 79.18,20.92 arc(79.18,20.92) 79.19,20.92 79.21,20.91 arc(79.23,20.9) 79.25,20.88 79.3,20.86 arc(79.33,20.85) 79.35,20.83 79.38,20.81 arc(79.38,20.81) 79.38,20.81 arc(79.39,20.81) 79.39,20.8 79.39,20.8 arc(79.4,20.8) 79.4,20.8 arc(79.4,20.8) 79.41,20.8 79.48,20.75 arc(79.49,20.75) 79.49,20.75 arc(79.5,20.74) 79.51,20.74 79.53,20.74 arc(79.53,20.73) 79.54,20.73 79.61,20.73 arc(79.67,20.73) 79.74,20.73 80.31,20.69 arc(80.37,20.68) 80.44,20.68 80.5,20.68 arc(80.51,20.68) 80.51,20.68 80.52,20.68 arc(80.52,20.68) 80.53,20.68 80.6,20.66 arc(80.62,20.65) 80.64,20.64 80.67,20.62 arc(80.69,20.61) 80.71,20.6 80.72,20.59 arc(80.72,20.59) 80.72,20.58 arc(80.73,20.58) 80.73,20.58 80.74,20.57 arc(80.76,20.55) 80.77,20.54 80.81,20.52 arc(80.83,20.51) 80.85,20.51 arc(80.87,20.5) 80.89,20.5 80.91,20.49 arc(80.92,20.49) 80.92,20.49 arc(80.92,20.49) 80.93,20.48 80.94,20.48 arc(80.94,20.48) 80.94,20.48 81.01,20.48 arc(81.07,20.48) 81.14,20.48 81.25,20.47 arc(81.42,20.46) 81.6,20.47 81.71,20.48 arc(81.77,20.48) 81.84,20.48 81.95,20.48 arc(82,20.49) 82.05,20.5 82.15,20.52 arc(82.2,20.54) 82.24,20.56 82.38,20.63 83.29,21.12 arc(83.42,21.21) 83.53,21.32 83.63,21.44 arc(83.79,21.7) 83.91,21.99 arc(83.96,22.29) 83.95,22.6 83.94,22.76 arc(83.9,22.91) 83.84,23.05 83.76,23.18 arc(83.76,23.18) 83.76,23.19 arc(83.75,23.19) 83.75,23.19 83.71,23.26 arc(83.68,23.33) 83.66,23.41 83.63,23.56 arc(83.62,23.64) 83.63,23.72 83.65,23.88 83.74,24.46 arc(83.8,25.07) 83.76,25.7 83.61,26.94 arc(83.5,27.55) 83.3,28.14 82.57,29.87 82,31.21 81.68,31.98 arc(81.56,32.23) 81.42,32.47 81.12,32.94 arc(80.95,33.17) 80.77,33.37 80.57,33.58 ; J3.1 82.64,36.3 arc(82.57,36.29) 82.51,36.29 82.33,36.29 arc(82.21,36.28) 82.09,36.23 81.88,36.11 arc(81.78,36.04) 81.71,35.94 80.95,34.69 80.77,34.38 arc(80.72,34.28) 80.68,34.17 80.61,33.95 arc(80.59,33.84) 80.57,33.72 80.57,33.61 arc(80.57,33.6) 80.57,33.6 ; 80.56,33.59 77.25,33.9 76.25,34 arc(75.92,34.01) 75.58,33.97 74.92,33.84 arc(74.6,33.75) 74.3,33.62 72.87,32.87 72.81,32.84 arc(72.79,32.83) 72.77,32.82 72.73,32.81 arc(72.71,32.8) 72.69,32.79 72.53,32.73 arc(72.42,32.68) 72.31,32.63 72.09,32.53 arc(71.99,32.47) 71.88,32.42 68.99,30.69 68.53,30.42 arc(68.37,30.34) 68.21,30.28 67.87,30.19 arc(67.69,30.15) 67.52,30.14 67.3,30.13 ; 80.56,33.59 arc(80.57,33.59) 80.57,33.6 ; 80.56,33.59 arc(80.57,33.59) 80.57,33.58 ; 80.57,33.58 arc(80.57,33.59) 80.57,33.6
